# KiCad board MPPT Li-Ion CN3791 charger board_panel.kicad_pcb (continued)
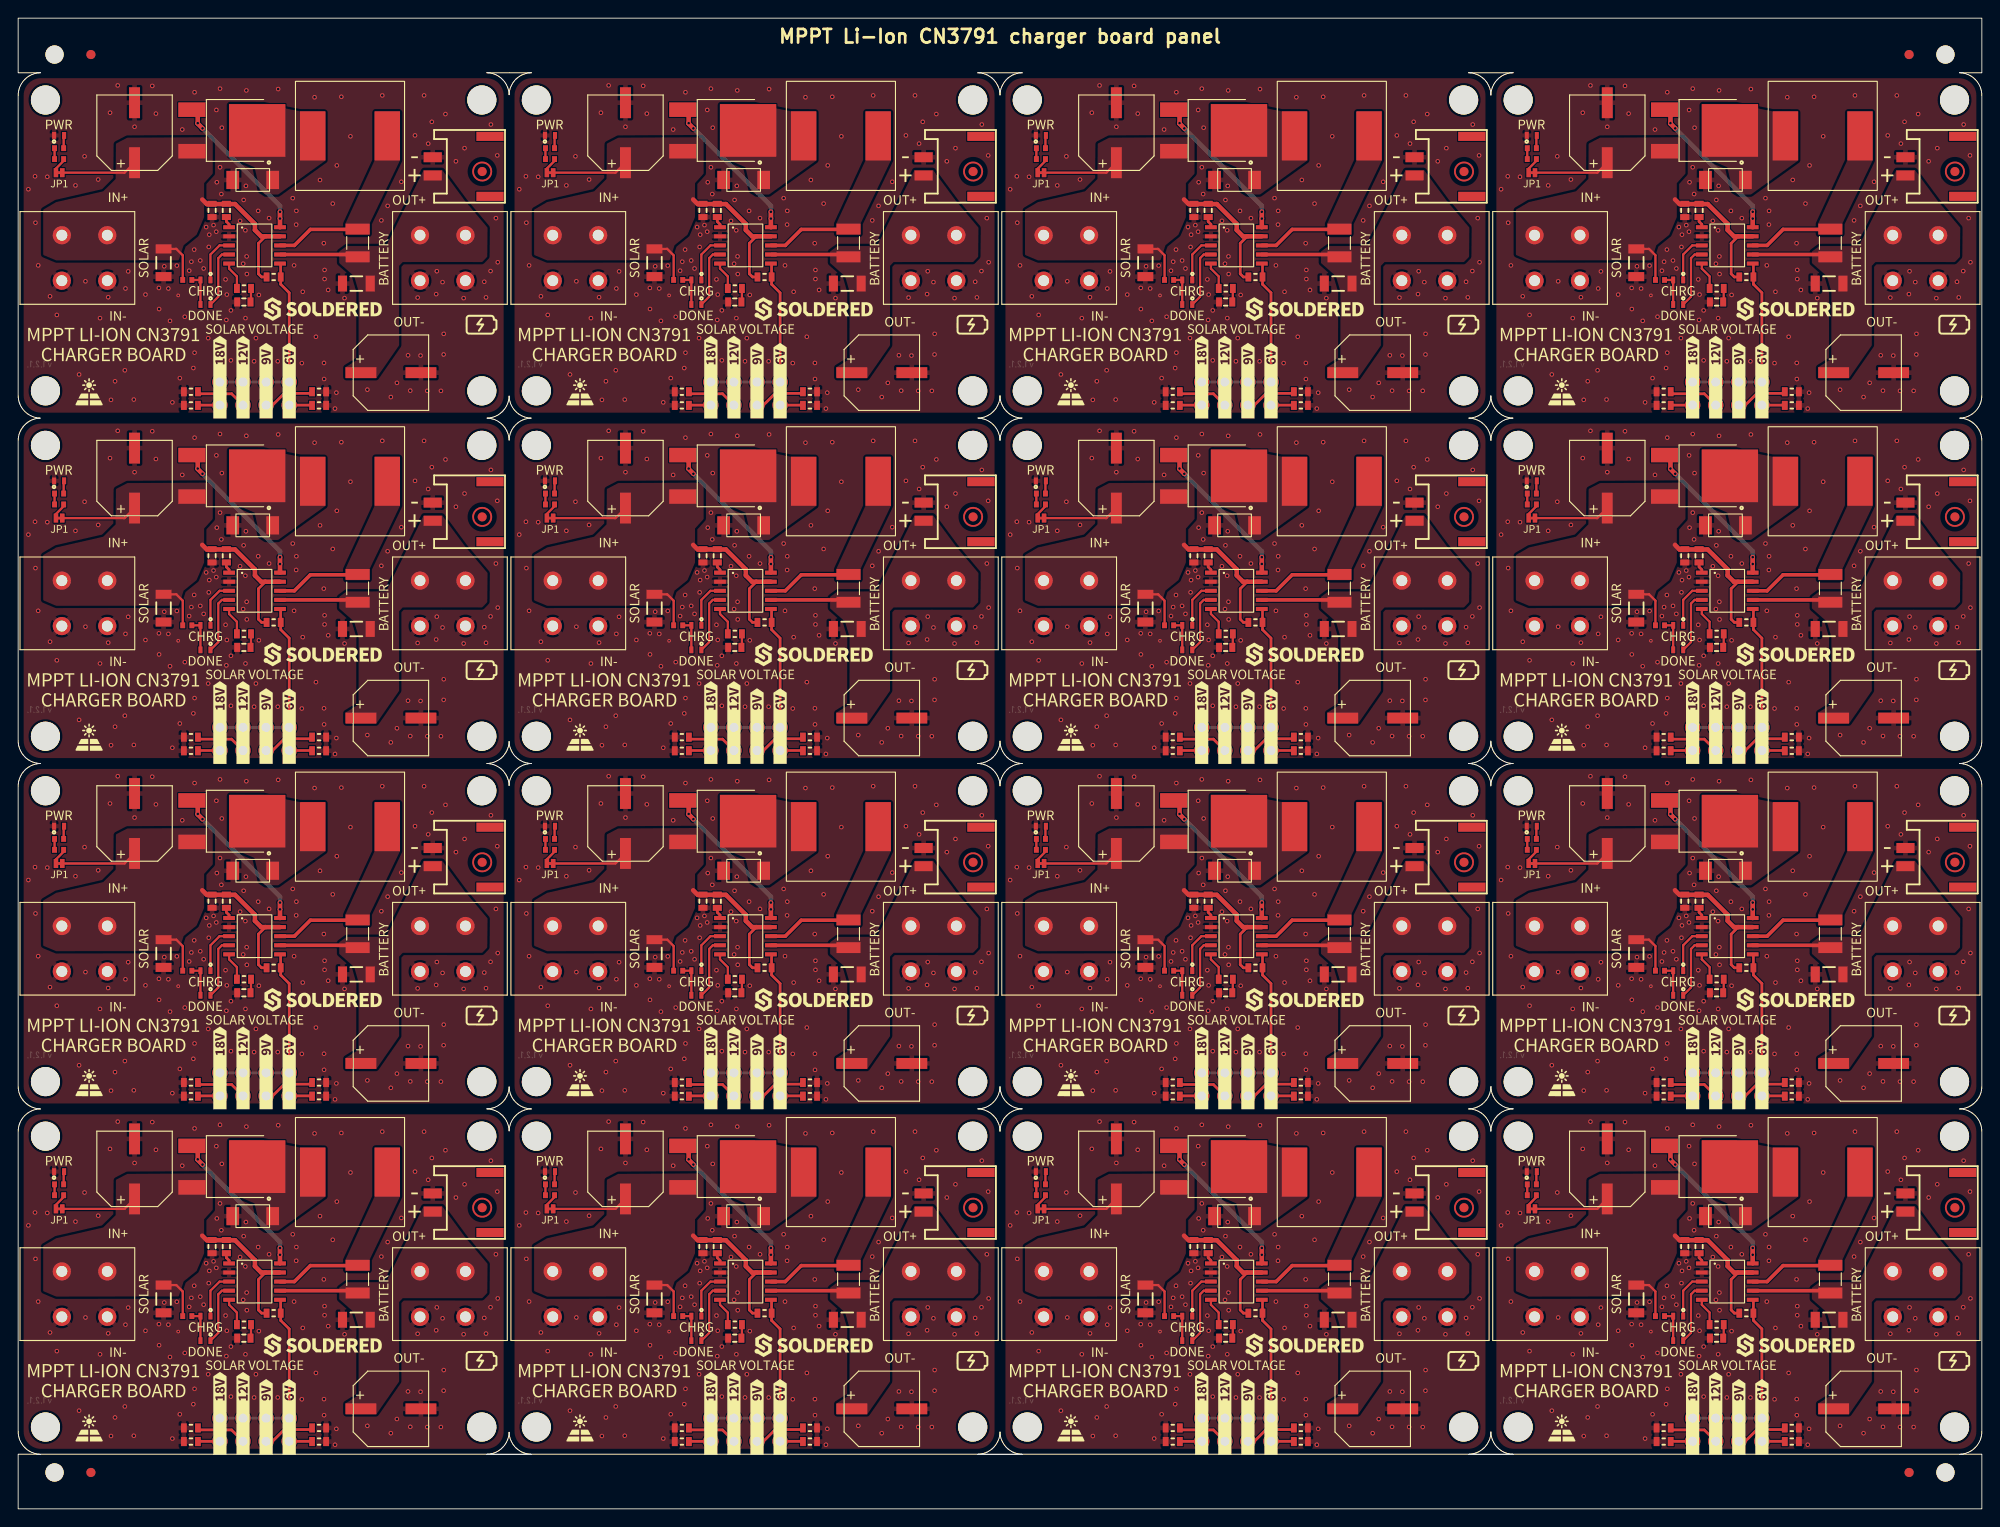
[diagram p0: board, top side]
## Routing (per net, layer and track width the routed paths; a pad name or vN(x,y) marks a point on that pad's centre or on a via; arc(x,y) is an arc through that point) (continued)
Board_7-Net-(D1-Pad2): length 7.3
  Top w0.25: 185.7,100 184.41,100 184.01,99.6 184.01,95.36 D1#16.2
Board_7-Net-(D2-Pad2): length 5.8
  Top w0.25: 185.7,101 184.15,101 183.15,100 D2#9.2
Board_7-Net-(D3-Pad1): length 18.5
  Top w0.5: v1(182.28,113.88) 181.75,114.4 v1(181.75,114.45) 181.75,115.3 D3#2.1 ; v1(190.8,104.7) v1(190.8,103.95) U1#5.10
  Bottom w0.5: v1(190.8,103.95) v1(190.8,104.7) 190.8,105.35 v1(182.28,113.88) 181.75,114.4 v1(181.75,114.45)
Board_7-Net-(D5-Pad1): length 1.4
  Top w0.254: R9#15.2 167,113.05 D5#3.1
Board_7-Net-(JP1-Pad2): length 1.9
  Top w0.254: R10#16.1 167,110.3 166.15,109.45 JP1.2
Board_7-Net-(K2-Pad1): length 2.4
  Top w0.3: R3.2 181.81,83.43 K2#5.1
Board_7-Net-(K2-Pad2): length 5.6
  Top w0.3: R4#3.2 182,84.68 185.48,84.68 K2#5.2
Board_7-Net-(K2-Pad3): length 5.7
  Top w0.3: R6#12.2 194.15,84.72 191.27,84.72 189.98,83.43 K2#5.3
Board_7-Net-(K2-Pad4): length 26.1
  Top w0.3: R7#8.2 194.3,83.43 K2#5.4 ; K2#5.5 191.81,95.79 190.88,96.73 R5#12.1 190.88,98.93 U1#5.6
  Bottom w0.3: K2#5.4 K2#5.5 K2#5.8
Board_7-Net-(L1-Pad2): length 9.3
  Top w0.3: 199.31,102.76 R8#10.1
  Top w0.4: U1#5.8 192.38,101 194.14,102.76 199.31,102.76
Board_7-Net-(R2-Pad2): length 3.1
  Top w0.25: U1#5.5 185.2,98.45 186.06,97.59 R2#14.2
Board_7-Net-(R10-Pad2): length 1.2
  Top w0.254: R10#16.2 R9#15.1
Board_7-VCC: length 29.6
  Top w0.254: C1#9.2 179.4,100.62 180.1,99.91 R1#10.2 ; C3#2.1 173.7,109 JP1.1
  Top w0.3: 189.2,102 188.43,101.23 188.43,97.88 188.78,97.53 R5#12.2
  Top w0.5: U1#5.9 188.73,102 188.04,102.69 188.04,103.36 185.85,105.55 182.75,105.55 182.25,106.05
Board_8-BAT: length 8.6
  Top w0.4: R8#14.2 37.09,62 U1#14.7
Board_8-GND:
  vias: v1(1.12,69.18) v1(1.85,70.6) v1(1.9,65.5) v1(2.2,60.8) v1(3.2,70.55) v1(3.5,57.4) v1(4.25,55.35) v1(6.3,69.6) v1(6.7,48.8) v1(7.3,72.8) v1(7.4,59.05) v1(8.8,70.25) v1(9,55) v1(9.9,57.3) v1(10.1,77.6) v1(10.21,46.01) v1(10.65,48.05) v1(10.95,80.6) v1(11.73,49.26) v1(11.8,58.26) v1(12.1,60.14) v1(12.72,46.04) v1(12.8,76.05) v1(14,57.59) v1(14.75,80.55) v1(15.15,77.5) v1(15.48,58.32) v1(15.5,56) v1(16.07,60.7) v1(16.52,58.26) v1(16.7,54.7) v1(16.96,45.73) v1(17.45,60.78) v1(17.78,48.4) v1(18.05,75.75) v1(18.33,55.15) v1(18.81,60.22) v1(19.05,61.21) v1(19.27,49.51) v1(19.4,79.85) v1(19.36,62.54) v1(19.4,51.2) v1(20.03,61.34) v1(20.4,60.46) v1(20.68,65.02) v1(20.9,52.8) v1(21.02,64.18) v1(20.96,62.83) v1(21.49,65.23) v1(21.8,77.9) v1(21.85,69.95) v1(21.79,64.51) v1(22.2,80.25) v1(22.2,71.6) v1(22.35,68.65) v1(22.4,75.95) v1(22.81,59.26) v1(22.95,57.59) v1(22.9,54.8) v1(23.4,55.85) v1(23.4,50.35) v1(24.41,65.7) v1(24.75,60.99) v1(24.8,68) v1(25.05,69.55) v1(24.99,64.66) v1(25,55) v1(25.1,80.05) v1(25.13,61.79) v1(25.15,59.85) v1(25.95,50.25) v1(26.15,52.8) v1(26.4,66.8) v1(26.48,57.55) v1(27.6,66) v1(28.55,50.25) v1(28.6,80.2) v1(30.2,68.2) v1(30.35,60.8) v1(30.6,66.8) v1(30.58,65.29) v1(31.2,50.05) v1(31.3,57.9) v1(32.6,79.3) v1(32.75,52.95) v1(33.2,70.2) v1(33.62,63.24) v1(33.64,50.07) v1(33.65,48.3) v1(33.7,60.3) v1(33.7,59.3) v1(34.1,58.1) v1(34.6,67.6) v1(34.85,45.05) v1(35.05,71.8) v1(35,46.8) v1(35.55,79.35) v1(35.9,57.2) v1(36.55,75) v1(38.41,47.13) v1(39.95,65.75) v1(40.05,79.5) v1(40.64,67.35) v1(40.99,46.32) v1(41.66,47.88) v1(42.15,70) v1(42.88,50.91) v1(43.13,47.02) v1(43.65,75.1) v1(43.94,57.26) v1(44.26,50.88) v1(44.65,79.5) v1(45,47) v1(45.1,74.2) v1(45.5,76.6) v1(46.05,60.16) v1(45.98,57.64) v1(46.5,47) v1(46.68,58.96) v1(46.81,53.27) v1(46.8,51) v1(47,77.45) v1(48.15,72.25) v1(49,57.2) v1(49.1,73.7) v1(51.27,59) v1(51.46,57.28) v1(52,76.3) v1(51.96,60.18) v1(52.55,66) v1(52.7,72.9) v1(52.75,61.15) v2(17.6,57.5)
Board_8-Net-(C4-Pad1): length 1.2
  Top w0.3: C4#13.1 22.9,65.63 23.2,65.33 U1#14.1
Board_8-Net-(C5-Pad2): length 1.5
  Top w0.25: R2#9.1 25.61,56.83 C5#2.2
Board_8-Net-(D1-Pad1): length 3.6
  Top w0.254: D1.1 D2#12.1 R1.1
Board_8-Net-(D1-Pad2): length 7.3
  Top w0.25: 23.7,62 22.41,62 22.01,61.6 22.01,57.36 D1.2
Board_8-Net-(D2-Pad2): length 5.8
  Top w0.25: D2#12.2 21.15,62 22.15,63 23.7,63
Board_8-Net-(D3-Pad1): length 18.5
  Top w0.5: U1#14.10 v1(28.8,65.95) v1(28.8,66.7) ; v1(20.28,75.88) 19.75,76.4 v1(19.75,76.45) 19.75,77.3 D3#3.1
  Bottom w0.5: v1(28.8,65.95) v1(28.8,66.7) 28.8,67.35 v1(20.28,75.88) 19.75,76.4 v1(19.75,76.45)
Board_8-Net-(D5-Pad1): length 1.4
  Top w0.254: R9#3.2 5,75.05 D5#6.1
Board_8-Net-(JP1-Pad2): length 1.9
  Top w0.254: JP1#13.2 4.15,71.45 5,72.3 R10#4.1
Board_8-Net-(K2-Pad1): length 2.4
  Top w0.3: K2#8.1 19.81,45.43 R3#5.2
Board_8-Net-(K2-Pad2): length 5.6
  Top w0.3: K2#8.2 23.48,46.68 20,46.68 R4#16.2
Board_8-Net-(K2-Pad3): length 5.7
  Top w0.3: R6#4.2 32.15,46.72 29.27,46.72 27.98,45.43 K2#8.3
Board_8-Net-(K2-Pad4): length 26.1
  Top w0.3: R7#10.2 32.3,45.43 K2#8.4 ; K2#8.5 29.81,57.79 28.88,58.73 R5#5.1 28.88,60.93 U1#14.6
  Bottom w0.3: K2#8.4 K2#8.5 K2#8.8
Board_8-Net-(L1-Pad2): length 9.3
  Top w0.3: 37.31,64.76 R8#14.1
  Top w0.4: U1#14.8 30.38,63 32.14,64.76 37.31,64.76
Board_8-Net-(R2-Pad2): length 3.1
  Top w0.25: R2#9.2 24.06,59.59 23.2,60.45 U1#14.5
Board_8-Net-(R10-Pad2): length 1.2
  Top w0.254: R10#4.2 R9#3.1
Board_8-VCC: length 29.6
  Top w0.254: C3.1 11.7,71 JP1#13.1 ; C1#3.2 17.4,62.62 18.1,61.91 R1.2
  Top w0.3: R5#5.2 26.78,59.53 26.43,59.88 26.43,63.23 27.2,64
  Top w0.5: 20.25,68.05 20.75,67.55 23.85,67.55 26.04,65.36 26.04,64.69 26.73,64 U1#14.9
Board_9-BAT: length 8.6
  Top w0.4: R8#11.2 91.09,62 U1#16.7
Board_9-GND:
  vias: v1(55.12,69.18) v1(55.85,70.6) v1(55.9,65.5) v1(56.2,60.8) v1(57.2,70.55) v1(57.5,57.4) v1(58.25,55.35) v1(60.3,69.6) v1(60.7,48.8) v1(61.3,72.8) v1(61.4,59.05) v1(62.8,70.25) v1(63,55) v1(63.9,57.3) v1(64.1,77.6) v1(64.21,46.01) v1(64.65,48.05) v1(64.95,80.6) v1(65.73,49.26) v1(65.8,58.26) v1(66.1,60.14) v1(66.72,46.04) v1(66.8,76.05) v1(68,57.59) v1(68.75,80.55) v1(69.15,77.5) v1(69.48,58.32) v1(69.5,56) v1(70.07,60.7) v1(70.52,58.26) v1(70.7,54.7) v1(70.96,45.73) v1(71.45,60.78) v1(71.78,48.4) v1(72.05,75.75) v1(72.33,55.15) v1(72.81,60.22) v1(73.05,61.21) v1(73.27,49.51) v1(73.4,79.85) v1(73.36,62.54) v1(73.4,51.2) v1(74.03,61.34) v1(74.4,60.46) v1(74.68,65.02) v1(74.9,52.8) v1(75.02,64.18) v1(74.96,62.83) v1(75.49,65.23) v1(75.8,77.9) v1(75.79,64.51) v1(75.85,69.95) v1(76.2,80.25) v1(76.2,71.6) v1(76.4,75.95) v1(76.35,68.65) v1(76.81,59.26) v1(76.9,54.8) v1(76.95,57.59) v1(77.4,55.85) v1(77.4,50.35) v1(78.41,65.7) v1(78.8,68) v1(78.75,60.99) v1(78.99,64.66) v1(79,55) v1(79.1,80.05) v1(79.05,69.55) v1(79.13,61.79) v1(79.15,59.85) v1(79.95,50.25) v1(80.15,52.8) v1(80.4,66.8) v1(80.48,57.55) v1(81.6,66) v1(82.6,80.2) v1(82.55,50.25) v1(84.2,68.2) v1(84.35,60.8) v1(84.6,66.8) v1(84.58,65.29) v1(85.2,50.05) v1(85.3,57.9) v1(86.6,79.3) v1(86.75,52.95) v1(87.2,70.2) v1(87.62,63.24) v1(87.64,50.07) v1(87.7,60.3) v1(87.7,59.3) v1(87.65,48.3) v1(88.1,58.1) v1(88.6,67.6) v1(88.85,45.05) v1(89,46.8) v1(89.05,71.8) v1(89.55,79.35) v1(89.9,57.2) v1(90.55,75) v1(92.41,47.13) v1(93.95,65.75) v1(94.05,79.5) v1(94.64,67.35) v1(94.99,46.32) v1(95.66,47.88) v1(96.15,70) v1(96.88,50.91) v1(97.13,47.02) v1(97.65,75.1) v1(97.94,57.26) v1(98.26,50.88) v1(98.65,79.5) v1(99,47) v1(99.1,74.2) v1(99.5,76.6) v1(99.98,57.64) v1(100.05,60.16) v1(100.5,47) v1(100.68,58.96) v1(100.81,53.27) v1(100.8,51) v1(101,77.45) v1(102.15,72.25) v1(103,57.2) v1(103.1,73.7) v1(105.27,59) v1(105.46,57.28) v1(106,76.3) v1(105.96,60.18) v1(106.55,66) v1(106.7,72.9) v1(106.75,61.15) v2(71.6,57.5)
Board_9-Net-(C4-Pad1): length 1.2
  Top w0.3: U1#16.1 77.2,65.33 76.9,65.63 C4#2.1
Board_9-Net-(C5-Pad2): length 1.5
  Top w0.25: R2#6.1 79.61,56.83 C5#13.2
Board_9-Net-(D1-Pad1): length 3.6
  Top w0.254: D1#5.1 D2#4.1 R1#8.1
Board_9-Net-(D1-Pad2): length 7.3
  Top w0.25: 77.7,62 76.41,62 76.01,61.6 76.01,57.36 D1#5.2
Board_9-Net-(D2-Pad2): length 5.8
  Top w0.25: 77.7,63 76.15,63 75.15,62 D2#4.2
Board_9-Net-(D3-Pad1): length 18.5
  Top w0.5: v1(74.28,75.88) 73.75,76.4 v1(73.75,76.45) 73.75,77.3 D3#12.1 ; U1#16.10 v1(82.8,65.95) v1(82.8,66.7)
  Bottom w0.5: v1(82.8,65.95) v1(82.8,66.7) 82.8,67.35 v1(74.28,75.88) 73.75,76.4 v1(73.75,76.45)
Board_9-Net-(D5-Pad1): length 1.4
  Top w0.254: R9#8.2 59,75.05 D5#7.1
Board_9-Net-(JP1-Pad2): length 1.9
  Top w0.254: R10#2.1 59,72.3 58.15,71.45 JP1#5.2
Board_9-Net-(K2-Pad1): length 2.4
  Top w0.3: R3#2.2 73.81,45.43 K2#6.1
Board_9-Net-(K2-Pad2): length 5.6
  Top w0.3: K2#6.2 77.48,46.68 74,46.68 R4#15.2
Board_9-Net-(K2-Pad3): length 5.7
  Top w0.3: K2#6.3 81.98,45.43 83.27,46.72 86.15,46.72 R6#3.2
Board_9-Net-(K2-Pad4): length 26.1
  Top w0.3: U1#16.6 82.88,60.93 R5.1 82.88,58.73 83.81,57.79 K2#6.5 ; K2#6.4 86.3,45.43 R7#7.2
  Bottom w0.3: K2#6.8 K2#6.5 K2#6.4
Board_9-Net-(L1-Pad2): length 9.3
  Top w0.3: 91.31,64.76 R8#11.1
  Top w0.4: 91.31,64.76 86.14,64.76 84.38,63 U1#16.8
Board_9-Net-(R2-Pad2): length 3.1
  Top w0.25: R2#6.2 78.06,59.59 77.2,60.45 U1#16.5
Board_9-Net-(R10-Pad2): length 1.2
  Top w0.254: R10#2.2 R9#8.1
Board_9-VCC: length 29.6
  Top w0.254: JP1#5.1 65.7,71 C3#6.1 ; R1#8.2 72.1,61.91 71.4,62.62 C1#8.2
  Top w0.3: 81.2,64 80.43,63.23 80.43,59.88 80.78,59.53 R5.2
  Top w0.5: U1#16.9 80.73,64 80.04,64.69 80.04,65.36 77.85,67.55 74.75,67.55 74.25,68.05
Board_10-BAT: length 8.6
  Top w0.4: R8#13.2 145.09,62 U1#10.7
Board_10-GND:
  vias: v1(109.12,69.18) v1(109.85,70.6) v1(109.9,65.5) v1(110.2,60.8) v1(111.2,70.55) v1(111.5,57.4) v1(112.25,55.35) v1(114.3,69.6) v1(114.7,48.8) v1(115.3,72.8) v1(115.4,59.05) v1(116.8,70.25) v1(117,55) v1(117.9,57.3) v1(118.1,77.6) v1(118.21,46.01) v1(118.65,48.05) v1(118.95,80.6) v1(119.73,49.26) v1(119.8,58.26) v1(120.1,60.14) v1(120.72,46.04) v1(120.8,76.05) v1(122,57.59) v1(122.75,80.55) v1(123.15,77.5) v1(123.48,58.32) v1(123.5,56) v1(124.07,60.7) v1(124.52,58.26) v1(124.7,54.7) v1(124.96,45.73) v1(125.45,60.78) v1(125.78,48.4) v1(126.05,75.75) v1(126.33,55.15) v1(126.81,60.22) v1(127.05,61.21) v1(127.27,49.51) v1(127.4,79.85) v1(127.36,62.54) v1(127.4,51.2) v1(128.03,61.34) v1(128.4,60.46) v1(128.68,65.02) v1(128.9,52.8) v1(129.02,64.18) v1(128.96,62.83) v1(129.49,65.23) v1(129.8,77.9) v1(129.79,64.51) v1(129.85,69.95) v1(130.2,80.25) v1(130.2,71.6) v1(130.4,75.95) v1(130.35,68.65) v1(130.81,59.26) v1(130.9,54.8) v1(130.95,57.59) v1(131.4,55.85) v1(131.4,50.35) v1(132.41,65.7) v1(132.8,68) v1(132.75,60.99) v1(132.99,64.66) v1(133,55) v1(133.1,80.05) v1(133.05,69.55) v1(133.13,61.79) v1(133.15,59.85) v1(133.95,50.25) v1(134.15,52.8) v1(134.4,66.8) v1(134.48,57.55) v1(135.6,66) v1(136.6,80.2) v1(136.55,50.25) v1(138.2,68.2) v1(138.35,60.8) v1(138.6,66.8) v1(138.58,65.29) v1(139.2,50.05) v1(139.3,57.9) v1(140.6,79.3) v1(140.75,52.95) v1(141.2,70.2) v1(141.62,63.24) v1(141.64,50.07) v1(141.7,60.3) v1(141.7,59.3) v1(141.65,48.3) v1(142.1,58.1) v1(142.6,67.6) v1(142.85,45.05) v1(143,46.8) v1(143.05,71.8) v1(143.55,79.35) v1(143.9,57.2) v1(144.55,75) v1(146.41,47.13) v1(147.95,65.75) v1(148.05,79.5) v1(148.64,67.35) v1(148.99,46.32) v1(149.66,47.88) v1(150.15,70) v1(150.88,50.91) v1(151.13,47.02) v1(151.65,75.1) v1(151.94,57.26) v1(152.26,50.88) v1(152.65,79.5) v1(153,47) v1(153.1,74.2) v1(153.5,76.6) v1(153.98,57.64) v1(154.05,60.16) v1(154.5,47) v1(154.68,58.96) v1(154.81,53.27) v1(154.8,51) v1(155,77.45) v1(156.15,72.25) v1(157,57.2) v1(157.1,73.7) v1(159.27,59) v1(159.46,57.28) v1(160,76.3) v1(159.96,60.18) v1(160.55,66) v1(160.7,72.9) v1(160.75,61.15) v2(125.6,57.5)
Board_10-Net-(C4-Pad1): length 1.2
  Top w0.3: C4#5.1 130.9,65.63 131.2,65.33 U1#10.1
Board_10-Net-(C5-Pad2): length 1.5
  Top w0.25: R2#3.1 133.61,56.83 C5#9.2
Board_10-Net-(D1-Pad1): length 3.7
  Top w0.254: R1#6.1 D2.1 D1#14.1
Board_10-Net-(D1-Pad2): length 7.3
  Top w0.25: 131.7,62 130.41,62 130.01,61.6 130.01,57.36 D1#14.2
Board_10-Net-(D2-Pad2): length 5.8
  Top w0.25: 131.7,63 130.15,63 129.15,62 D2.2
Board_10-Net-(D3-Pad1): length 18.5
  Top w0.5: D3#7.1 127.75,77.3 v1(127.75,76.45) 127.75,76.4 v1(128.28,75.88) ; U1#10.10 v1(136.8,65.95) v1(136.8,66.7)
  Bottom w0.5: v1(136.8,65.95) v1(136.8,66.7) 136.8,67.35 v1(128.28,75.88) 127.75,76.4 v1(127.75,76.45)
Board_10-Net-(D5-Pad1): length 1.4
  Top w0.254: R9.2 113,75.05 D5#2.1
Board_10-Net-(JP1-Pad2): length 1.9
  Top w0.254: JP1#6.2 112.15,71.45 113,72.3 R10#13.1
Board_10-Net-(K2-Pad1): length 2.4
  Top w0.3: K2.1 127.81,45.43 R3#10.2
Board_10-Net-(K2-Pad2): length 5.6
  Top w0.3: R4#12.2 128,46.68 131.48,46.68 K2.2
Board_10-Net-(K2-Pad3): length 5.7
  Top w0.3: R6#6.2 140.15,46.72 137.27,46.72 135.98,45.43 K2.3
Board_10-Net-(K2-Pad4): length 26.1
  Top w0.3: K2.5 137.81,57.79 136.88,58.73 R5#9.1 136.88,60.93 U1#10.6 ; R7#11.2 140.3,45.43 K2.4
  Bottom w0.3: K2.4 K2.5 K2.8
Board_10-Net-(L1-Pad2): length 9.3
  Top w0.3: 145.31,64.76 R8#13.1
  Top w0.4: 145.31,64.76 140.14,64.76 138.38,63 U1#10.8
Board_10-Net-(R2-Pad2): length 3.1
  Top w0.25: U1#10.5 131.2,60.45 132.06,59.59 R2#3.2
Board_10-Net-(R10-Pad2): length 1.2
  Top w0.254: R10#13.2 R9.1
Board_10-VCC: length 29.6
  Top w0.254: JP1#6.1 119.7,71 C3#11.1 ; R1#6.2 126.1,61.91 125.4,62.62 C1#7.2
  Top w0.3: R5#9.2 134.78,59.53 134.43,59.88 134.43,63.23 135.2,64
  Top w0.5: 128.25,68.05 128.75,67.55 131.85,67.55 134.04,65.36 134.04,64.69 134.73,64 U1#10.9
Board_11-BAT: length 8.6
  Top w0.4: R8#9.2 199.09,62 U1#12.7
Board_11-GND:
  vias: v1(163.12,69.18) v1(163.85,70.6) v1(163.9,65.5) v1(164.2,60.8) v1(165.2,70.55) v1(165.5,57.4) v1(166.25,55.35) v1(168.3,69.6) v1(168.7,48.8) v1(169.3,72.8) v1(169.4,59.05) v1(170.8,70.25) v1(171,55) v1(171.9,57.3) v1(172.1,77.6) v1(172.21,46.01) v1(172.65,48.05) v1(172.95,80.6) v1(173.73,49.26) v1(173.8,58.26) v1(174.1,60.14) v1(174.72,46.04) v1(174.8,76.05) v1(176,57.59) v1(176.75,80.55) v1(177.15,77.5) v1(177.48,58.32) v1(177.5,56) v1(178.07,60.7) v1(178.52,58.26) v1(178.7,54.7) v1(178.96,45.73) v1(179.45,60.78) v1(179.78,48.4) v1(180.05,75.75) v1(180.33,55.15) v1(180.81,60.22) v1(181.05,61.21) v1(181.27,49.51) v1(181.4,79.85) v1(181.36,62.54) v1(181.4,51.2) v1(182.03,61.34) v1(182.4,60.46) v1(182.68,65.02) v1(182.9,52.8) v1(183.02,64.18) v1(182.96,62.83) v1(183.49,65.23) v1(183.8,77.9) v1(183.79,64.51) v1(183.85,69.95) v1(184.2,80.25) v1(184.2,71.6) v1(184.4,75.95) v1(184.35,68.65) v1(184.81,59.26) v1(184.9,54.8) v1(184.95,57.59) v1(185.4,55.85) v1(185.4,50.35) v1(186.41,65.7) v1(186.8,68) v1(186.75,60.99) v1(186.99,64.66) v1(187,55) v1(187.1,80.05) v1(187.05,69.55) v1(187.13,61.79) v1(187.15,59.85) v1(187.95,50.25) v1(188.15,52.8) v1(188.4,66.8) v1(188.48,57.55) v1(189.6,66) v1(190.6,80.2) v1(190.55,50.25) v1(192.2,68.2) v1(192.35,60.8) v1(192.6,66.8) v1(192.58,65.29) v1(193.2,50.05) v1(193.3,57.9) v1(194.6,79.3) v1(194.75,52.95) v1(195.2,70.2) v1(195.62,63.24) v1(195.64,50.07) v1(195.7,60.3) v1(195.7,59.3) v1(195.65,48.3) v1(196.1,58.1) v1(196.6,67.6) v1(196.85,45.05) v1(197,46.8) v1(197.05,71.8) v1(197.55,79.35) v1(197.9,57.2) v1(198.55,75) v1(200.41,47.13) v1(201.95,65.75) v1(202.05,79.5) v1(202.64,67.35) v1(202.99,46.32) v1(203.66,47.88) v1(204.15,70) v1(204.88,50.91) v1(205.13,47.02) v1(205.65,75.1) v1(205.94,57.26) v1(206.26,50.88) v1(206.65,79.5) v1(207,47) v1(207.1,74.2) v1(207.5,76.6) v1(207.98,57.64) v1(208.05,60.16) v1(208.5,47) v1(208.68,58.96) v1(208.81,53.27) v1(208.8,51) v1(209,77.45) v1(210.15,72.25) v1(211,57.2) v1(211.1,73.7) v1(213.27,59) v1(213.46,57.28) v1(214,76.3) v1(213.96,60.18) v1(214.55,66) v1(214.7,72.9) v1(214.75,61.15) v2(179.6,57.5)
Board_11-Net-(C4-Pad1): length 1.2
  Top w0.3: C4.1 184.9,65.63 185.2,65.33 U1#12.1
Board_11-Net-(C5-Pad2): length 1.5
  Top w0.25: R2#13.1 187.61,56.83 C5#7.2
Board_11-Net-(D1-Pad1): length 3.6
  Top w0.254: R1#12.1 D2#10.1 D1#3.1
Board_11-Net-(D1-Pad2): length 7.3
  Top w0.25: 185.7,62 184.41,62 184.01,61.6 184.01,57.36 D1#3.2
Board_11-Net-(D2-Pad2): length 5.8
  Top w0.25: D2#10.2 183.15,62 184.15,63 185.7,63
Board_11-Net-(D3-Pad1): length 18.5
  Top w0.5: U1#12.10 v1(190.8,65.95) v1(190.8,66.7) ; v1(182.28,75.88) 181.75,76.4 v1(181.75,76.45) 181.75,77.3 D3#9.1
  Bottom w0.5: v1(190.8,65.95) v1(190.8,66.7) 190.8,67.35 v1(182.28,75.88) 181.75,76.4 v1(181.75,76.45)
Board_11-Net-(D5-Pad1): length 1.4
  Top w0.254: R9#10.2 167,75.05 D5#4.1
Board_11-Net-(JP1-Pad2): length 1.9
  Top w0.254: JP1#8.2 166.15,71.45 167,72.3 R10#7.1
Board_11-Net-(K2-Pad1): length 2.4
  Top w0.3: R3#8.2 181.81,45.43 K2#2.1
Board_11-Net-(K2-Pad2): length 5.6
  Top w0.3: K2#2.2 185.48,46.68 182,46.68 R4#6.2
Board_11-Net-(K2-Pad3): length 5.7
  Top w0.3: K2#2.3 189.98,45.43 191.27,46.72 194.15,46.72 R6#5.2
Board_11-Net-(K2-Pad4): length 26.1
  Top w0.3: K2#2.4 194.3,45.43 R7#2.2 ; U1#12.6 190.88,60.93 R5#8.1 190.88,58.73 191.81,57.79 K2#2.5
  Bottom w0.3: K2#2.8 K2#2.5 K2#2.4
Board_11-Net-(L1-Pad2): length 9.3
  Top w0.3: 199.31,64.76 R8#9.1
  Top w0.4: U1#12.8 192.38,63 194.14,64.76 199.31,64.76
Board_11-Net-(R2-Pad2): length 3.1
  Top w0.25: R2#13.2 186.06,59.59 185.2,60.45 U1#12.5
Board_11-Net-(R10-Pad2): length 1.2
  Top w0.254: R10#7.2 R9#10.1
Board_11-VCC: length 29.6
  Top w0.254: JP1#8.1 173.7,71 C3#10.1 ; R1#12.2 180.1,61.91 179.4,62.62 C1#4.2
  Top w0.3: 189.2,64 188.43,63.23 188.43,59.88 188.78,59.53 R5#8.2
  Top w0.5: 182.25,68.05 182.75,67.55 185.85,67.55 188.04,65.36 188.04,64.69 188.73,64 U1#12.9
Board_12-BAT: length 8.6
  Top w0.4: U1#6.7 37.09,24 R8#6.2
Board_12-GND:
  vias: v1(1.12,31.18) v1(1.85,32.6) v1(1.9,27.5) v1(2.2,22.8) v1(3.2,32.55) v1(3.5,19.4) v1(4.25,17.35) v1(6.3,31.6) v1(6.7,10.8) v1(7.3,34.8) v1(7.4,21.05) v1(8.8,32.25) v1(9,17) v1(9.9,19.3) v1(10.1,39.6) v1(10.21,8.01) v1(10.65,10.05) v1(10.95,42.6) v1(11.73,11.26) v1(11.8,20.26) v1(12.1,22.14) v1(12.72,8.04) v1(12.8,38.05) v1(14,19.59) v1(14.75,42.55) v1(15.15,39.5) v1(15.48,20.32) v1(15.5,18) v1(16.07,22.7) v1(16.52,20.26) v1(16.7,16.7) v1(16.96,7.73) v1(17.45,22.78) v1(17.78,10.4) v1(18.05,37.75) v1(18.33,17.15) v1(18.81,22.22) v1(19.05,23.21) v1(19.27,11.51) v1(19.4,41.85) v1(19.36,24.54) v1(19.4,13.2) v1(20.03,23.34) v1(20.4,22.46) v1(20.68,27.02) v1(20.9,14.8) v1(21.02,26.18) v1(20.96,24.83) v1(21.49,27.23) v1(21.8,39.9) v1(21.85,31.95) v1(21.79,26.51) v1(22.2,42.25) v1(22.2,33.6) v1(22.35,30.65) v1(22.4,37.95) v1(22.81,21.26) v1(22.95,19.59) v1(22.9,16.8) v1(23.4,17.85) v1(23.4,12.35) v1(24.41,27.7) v1(24.75,22.99) v1(24.8,30) v1(25.05,31.55) v1(24.99,26.66) v1(25,17) v1(25.1,42.05) v1(25.13,23.79) v1(25.15,21.85) v1(25.95,12.25) v1(26.15,14.8) v1(26.4,28.8) v1(26.48,19.55) v1(27.6,28) v1(28.55,12.25) v1(28.6,42.2) v1(30.2,30.2) v1(30.35,22.8) v1(30.6,28.8) v1(30.58,27.29) v1(31.2,12.05) v1(31.3,19.9) v1(32.6,41.3) v1(32.75,14.95) v1(33.2,32.2) v1(33.62,25.24) v1(33.64,12.07) v1(33.65,10.3) v1(33.7,22.3) v1(33.7,21.3) v1(34.1,20.1) v1(34.6,29.6) v1(34.85,7.05) v1(35.05,33.8) v1(35,8.8) v1(35.55,41.35) v1(35.9,19.2) v1(36.55,37) v1(38.41,9.13) v1(39.95,27.75) v1(40.05,41.5) v1(40.64,29.35) v1(40.99,8.32) v1(41.66,9.88) v1(42.15,32) v1(42.88,12.91) v1(43.13,9.02) v1(43.65,37.1) v1(43.94,19.26) v1(44.26,12.88) v1(44.65,41.5) v1(45,9) v1(45.1,36.2) v1(45.5,38.6) v1(46.05,22.16) v1(45.98,19.64) v1(46.5,9) v1(46.68,20.96) v1(46.81,15.27) v1(46.8,13) v1(47,39.45) v1(48.15,34.25) v1(49,19.2) v1(49.1,35.7) v1(51.27,21) v1(51.46,19.28) v1(52,38.3) v1(51.96,22.18) v1(52.55,28) v1(52.7,34.9) v1(52.75,23.15) v2(17.6,19.5)
Board_12-Net-(C4-Pad1): length 1.2
  Top w0.3: U1#6.1 23.2,27.33 22.9,27.62 C4#3.1
Board_12-Net-(C5-Pad2): length 1.5
  Top w0.25: C5#10.2 25.61,18.83 R2#11.1
Board_12-Net-(D1-Pad1): length 3.7
  Top w0.254: R1#3.1 D2#11.1 D1#11.1
Board_12-Net-(D1-Pad2): length 7.3
  Top w0.25: D1#11.2 22.01,19.36 22.01,23.6 22.41,24 23.7,24
Board_12-Net-(D2-Pad2): length 5.8
  Top w0.25: D2#11.2 21.15,24 22.15,25 23.7,25
Board_12-Net-(D3-Pad1): length 18.5
  Top w0.5: v1(20.28,37.88) 19.75,38.4 v1(19.75,38.45) 19.75,39.3 D3#6.1 ; v1(28.8,28.7) v1(28.8,27.95) U1#6.10
  Bottom w0.5: v1(28.8,27.95) v1(28.8,28.7) 28.8,29.35 v1(20.28,37.88) 19.75,38.4 v1(19.75,38.45)
Board_12-Net-(D5-Pad1): length 1.4
  Top w0.254: D5#5.1 5,37.05 R9#5.2
Board_12-Net-(JP1-Pad2): length 1.9
  Top w0.254: JP1#15.2 4.15,33.45 5,34.3 R10#9.1
Board_12-Net-(K2-Pad1): length 2.4
  Top w0.3: K2#4.1 19.81,7.43 R3#11.2
Board_12-Net-(K2-Pad2): length 5.6
  Top w0.3: R4.2 20,8.68 23.48,8.68 K2#4.2
Board_12-Net-(K2-Pad3): length 5.7
  Top w0.3: K2#4.3 27.98,7.43 29.27,8.72 32.15,8.72 R6#9.2
Board_12-Net-(K2-Pad4): length 26.1
  Top w0.3: K2#4.4 32.3,7.43 R7#5.2 ; K2#4.5 29.81,19.79 28.88,20.73 R5#2.1 28.88,22.93 U1#6.6
  Bottom w0.3: K2#4.4 K2#4.5 K2#4.8
Board_12-Net-(L1-Pad2): length 9.3
  Top w0.3: 37.31,26.76 R8#6.1
  Top w0.4: 37.31,26.76 32.14,26.76 30.38,25 U1#6.8
Board_12-Net-(R2-Pad2): length 3.1
  Top w0.25: R2#11.2 24.06,21.59 23.2,22.45 U1#6.5
Board_12-Net-(R10-Pad2): length 1.2
  Top w0.254: R10#9.2 R9#5.1
Board_12-VCC: length 29.6
  Top w0.254: C1#2.2 17.4,24.62 18.1,23.91 R1#3.2 ; C3#4.1 11.7,33 JP1#15.1
  Top w0.3: 27.2,26 26.43,25.23 26.43,21.88 26.78,21.53 R5#2.2
  Top w0.5: U1#6.9 26.73,26 26.04,26.69 26.04,27.36 23.85,29.55 20.75,29.55 20.25,30.05
Board_13-BAT: length 8.6
  Top w0.4: U1#7.7 91.09,24 R8#16.2
Board_13-GND:
  vias: v1(55.12,31.18) v1(55.85,32.6) v1(55.9,27.5) v1(56.2,22.8) v1(57.2,32.55) v1(57.5,19.4) v1(58.25,17.35) v1(60.3,31.6) v1(60.7,10.8) v1(61.3,34.8) v1(61.4,21.05) v1(62.8,32.25) v1(63,17) v1(63.9,19.3) v1(64.1,39.6) v1(64.21,8.01) v1(64.65,10.05) v1(64.95,42.6) v1(65.73,11.26) v1(65.8,20.26) v1(66.1,22.14) v1(66.72,8.04) v1(66.8,38.05) v1(68,19.59) v1(68.75,42.55) v1(69.15,39.5) v1(69.48,20.32) v1(69.5,18) v1(70.07,22.7) v1(70.52,20.26) v1(70.7,16.7) v1(70.96,7.73) v1(71.45,22.78) v1(71.78,10.4) v1(72.05,37.75) v1(72.33,17.15) v1(72.81,22.22) v1(73.05,23.21) v1(73.27,11.51) v1(73.4,41.85) v1(73.36,24.54) v1(73.4,13.2) v1(74.03,23.34) v1(74.4,22.46) v1(74.68,27.02) v1(74.9,14.8) v1(75.02,26.18) v1(74.96,24.83) v1(75.49,27.23) v1(75.8,39.9) v1(75.79,26.51) v1(75.85,31.95) v1(76.2,42.25) v1(76.2,33.6) v1(76.4,37.95) v1(76.35,30.65) v1(76.81,21.26) v1(76.9,16.8) v1(76.95,19.59) v1(77.4,17.85) v1(77.4,12.35) v1(78.41,27.7) v1(78.8,30) v1(78.75,22.99) v1(78.99,26.66) v1(79,17) v1(79.1,42.05) v1(79.05,31.55) v1(79.13,23.79) v1(79.15,21.85) v1(79.95,12.25) v1(80.15,14.8) v1(80.4,28.8) v1(80.48,19.55) v1(81.6,28) v1(82.6,42.2) v1(82.55,12.25) v1(84.2,30.2) v1(84.35,22.8) v1(84.6,28.8) v1(84.58,27.29) v1(85.2,12.05) v1(85.3,19.9) v1(86.6,41.3) v1(86.75,14.95) v1(87.2,32.2) v1(87.62,25.24) v1(87.64,12.07) v1(87.7,22.3) v1(87.7,21.3) v1(87.65,10.3) v1(88.1,20.1) v1(88.6,29.6) v1(88.85,7.05) v1(89,8.8) v1(89.05,33.8) v1(89.55,41.35) v1(89.9,19.2) v1(90.55,37) v1(92.41,9.13) v1(93.95,27.75) v1(94.05,41.5) v1(94.64,29.35) v1(94.99,8.32) v1(95.66,9.88) v1(96.15,32) v1(96.88,12.91) v1(97.13,9.02) v1(97.65,37.1) v1(97.94,19.26) v1(98.26,12.88) v1(98.65,41.5) v1(99,9) v1(99.1,36.2) v1(99.5,38.6) v1(99.98,19.64) v1(100.05,22.16) v1(100.5,9) v1(100.68,20.96) v1(100.81,15.27) v1(100.8,13) v1(101,39.45) v1(102.15,34.25) v1(103,19.2) v1(103.1,35.7) v1(105.27,21) v1(105.46,19.28) v1(106,38.3) v1(105.96,22.18) v1(106.55,28) v1(106.7,34.9) v1(106.75,23.15) v2(71.6,19.5)
Board_13-Net-(C4-Pad1): length 1.2
  Top w0.3: U1#7.1 77.2,27.33 76.9,27.62 C4#16.1
Board_13-Net-(C5-Pad2): length 1.5
  Top w0.25: R2#8.1 79.61,18.83 C5#8.2
Board_13-Net-(D1-Pad1): length 3.7
  Top w0.254: R1#16.1 D2#14.1 D1#7.1